# Altium PCB Clocker.PCBDOC (part 2 of 2) (continued)
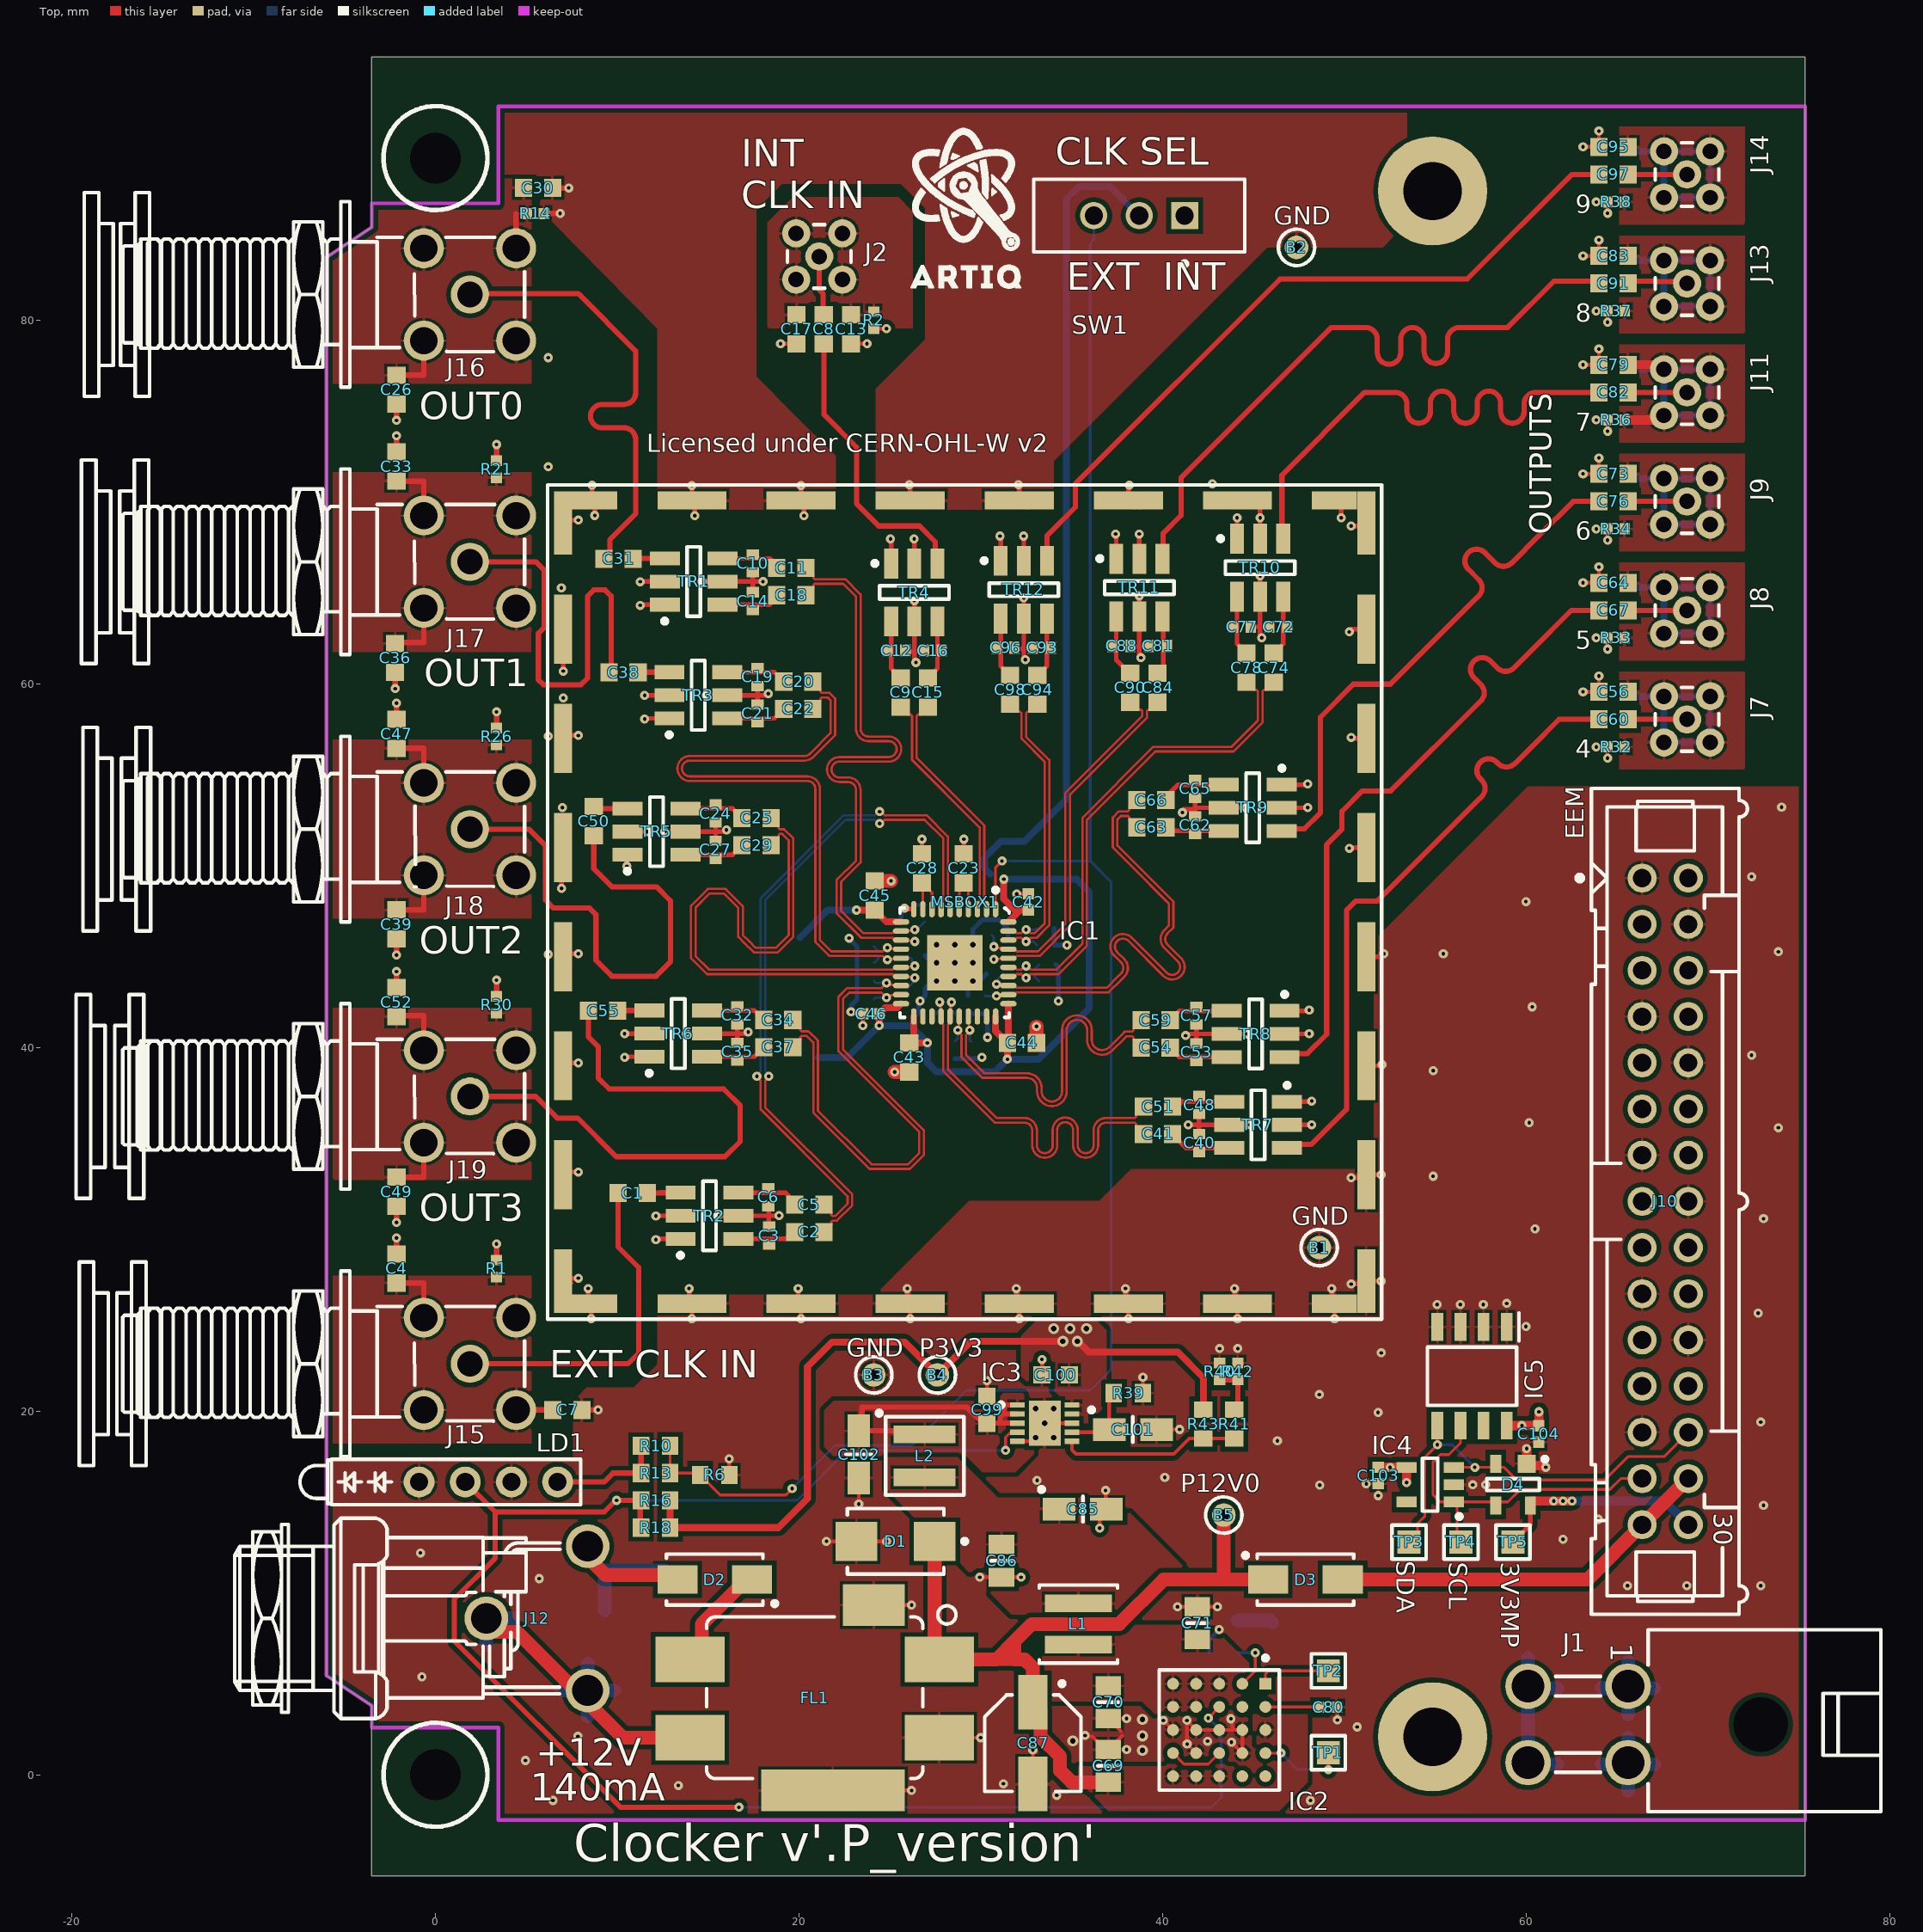
[diagram p0: Top view]
## Nets (pads, with @x,y where several pads share a name; then routed paths per layer and width w, separated by ;. In a path a pad name is that pad's centre, name@x,y a point inside that pad or via, vN(x,y) a via of type N, cw(c..) or ccw(c..) an arc to the next point about the centre after c; other vN are vias at no path point) (continued)
GND4: C56.1 C58.2 J7.2 R32.2 | length 12.1
  Bot w0.381: C58.2@65.592,59.306 J7.2@67.571,59.306 ; J7.2@67.571,59.306 J7.2@67.571,56.766 J7.2@70.111,56.766 J7.2@70.111,59.306 J7.2@67.571,59.306
GND5: C61.1 C64.2 J8.2 R33.2 | length 12.1
  Bot w0.381: C61.1@65.592,65.299 J8.2@67.571,65.299 ; J8.2@67.571,65.299 J8.2@70.111,65.299 J8.2@70.111,62.759 J8.2@67.571,62.759 J8.2@67.571,65.299
GND6: C68.1 C73.2 J9.2 R34.2 | length 12.1
  Bot w0.381: C68.1@65.592,71.292 J9.2@67.571,71.292 ; J9.2@67.571,71.292 J9.2@70.111,71.292 J9.2@70.111,68.752 J9.2@67.571,68.752 J9.2@67.571,71.292
GND7: C75.1 C79.2 J11.2 R36.2 | length 15.2
  Top w0.508: R36.2@65.407,74.5 J11.2@66.932,74.5 ; C79.2@65.592,77.529 J11.2@67.117,77.529
  Bot w0.381: C75.1@65.592,77.285 J11.2@67.571,77.285 ; J11.2@67.571,77.285 J11.2@70.111,77.285 J11.2@70.111,74.745 J11.2@67.571,74.745 J11.2@67.571,77.285
GND8: C83.1 C89.2 J13.2 R37.2 | length 12.1
  Bot w0.381: C89.2@65.592,83.277 J13.2@67.571,83.277 ; J13.2@67.571,83.277 J13.2@70.111,83.277 J13.2@70.111,80.737 J13.2@67.571,80.737 J13.2@67.571,83.277
GND9: C92.1 C95.2 J14.2 R38.2 | length 12.1
  Bot w0.381: C92.1@65.592,89.27 J14.2@67.571,89.27 ; J14.2@67.571,89.27 J14.2@67.571,86.73 J14.2@70.111,86.73 J14.2@70.111,89.27 J14.2@67.571,89.27
GND10: C4.1 C7.1 J15.2 R1.2 | length 5.4
  Top w0.305: C4.1@-2.14,27.038 -0.64,27.038 J15.2@-0.64,25.14 ; J15.2@4.44,20.06 C7.1@6.46,20.06
GND11: C13.1 C17.1 J2.2 R2.2
I2C_SCL: D4.3 IC4.1 IC5.6 J10.27 TP4.1 | length 19.5
  Top w0.152: IC5.6@56.38,19.204 56.38,18.24 55.743,17.604 55.27,17.604 54.872,17.205 54.872,15.391 55.259,15.004 IC4.1@56.009,15.004 IC4.1@56.185,15.004 ; TP4.1@56.409,12.799 56.185,13.022 IC4.1@56.185,15.004 ; D4.3@58.318,14.804 D4.3@58.118,15.004 ; J10.27@66.368,16.29 65.199,16.29 64.601,15.692 59.67,15.692 58.982,15.004 D4.3@58.118,15.004 ; IC4.1@56.185,15.004 D4.3@58.118,15.004
I2C_SDA: D4.2 IC4.3 IC5.5 J10.26 TP3.1 | length 24.3
  Top w0.152: TP3.1@53.549,12.799 54.016,13.265 54.016,13.822 54.422,14.227 54.422,17.467 v1(55.11,18.155) IC5.5@55.11,19.204 ; IC4.3@55.841,16.904 IC4.3@56.009,16.904 v1(57.163,16.904) D4.2@58.318,16.904 ; D4.2@58.318,17.104 D4.2@58.318,16.904 ; J10.26@68.908,18.83 67.576,17.498 65.597,17.498 64.315,16.215 59.46,16.215 58.771,16.904 D4.2@58.318,16.904
  Bot w0.152: v1(55.11,18.155) 55.913,18.155 v1(57.163,16.904)
IN_CLK0_N: C9.2 IC1.3 | length 13
  Top w0.125: C9.2@25.59,58.713 26.002,58.301 26.14,58.301 26.214,58.227 26.214,55.809 29.934,52.089 29.934,48.059 29.81,47.935 IC1.3@29.81,47.598
IN_CLK0_P: C15.2 IC1.2 | length 13
  Top w0.125: C15.2@27.09,58.713 26.678,58.301 26.54,58.301 26.466,58.227 26.466,55.914 30.186,52.194 30.186,48.059 30.31,47.935 IC1.2@30.31,47.598
IN_CLK1_N: C2.2 IC1.7 | length 37.3
  Top w0.125: v1(18.335,38.413) 18.335,38.352 18.135,38.152 18.135,36.701 22.919,31.917 22.919,31.302 22.088,30.472 21.846,30.472 21.772,30.398 21.772,30.26 C2.2@21.36,29.848 ; v1(24.435,52.314) 24.495,52.314 24.695,52.514 26.909,52.514 27.934,51.489 27.934,48.059 27.81,47.935 IC1.7@27.81,47.598
  Bot w0.125: v1(18.335,38.413) 18.335,38.473 18.135,38.673 18.135,48.088 22.561,52.514 24.174,52.514 24.374,52.314 v1(24.435,52.314)
IN_CLK1_P: C5.2 IC1.6 | length 37.7
  Top w0.125: v1(17.682,38.413) 17.682,38.352 17.882,38.152 17.882,36.597 22.666,31.813 22.666,31.407 21.983,30.724 21.846,30.724 21.772,30.797 21.772,30.935 C5.2@21.36,31.348 ; v1(24.435,52.966) 24.495,52.966 24.695,52.766 27.014,52.766 28.186,51.594 28.186,48.059 28.31,47.935 IC1.6@28.31,47.703
  Bot w0.125: v1(17.682,38.413) 17.682,38.473 17.882,38.673 17.882,48.192 22.456,52.766 24.174,52.766 24.374,52.966 v1(24.435,52.966)
INPUT_GND: FL1.3 J1.1 J1.2 J12.2 J12.3 | length 33.8
  Top w0.762: J12.2@2.891,7.847 4.499,7.847 10.308,2.038 FL1.3@14.01,2.038
  Bot w0.762: 2.796,7.156 J12.2@2.796,8.604 ; J12.2@2.8,8.6 4.248,8.6 ; 6.92,4.647 J12.3@8.369,4.647 ; 8.369,3.191 J12.3@8.369,4.639 ; J12.3@8.373,4.635 9.821,4.635 ; J12.3@8.377,4.647 8.377,6.096 ; 64.145,0.579 J1.2@65.594,0.579 ; 64.145,4.771 J1.1@65.594,4.771 ; 65.594,-0.877 J1.2@65.594,0.571 ; 65.594,3.314 J1.1@65.594,4.763 ; J1.2@65.598,0.567 67.046,0.567 ; J1.1@65.598,4.759 67.046,4.759 ; J1.2@65.602,0.579 65.602,2.028 ; J1.1@65.602,4.771 65.602,6.22
NetC1_1: C1.1 J15.1 | length 18.8
  Top w0.288: J15.1@1.9,22.6 10.591,22.6 11.18,23.189 11.18,27.892 10.045,29.027 C1.1@10.045,31.988
NetC1_2: C1.2 TR2.3 | length 3
  Top w0.288: C1.2@11.645,31.988 13.465,31.988 TR2.3@13.485,32.008 12.345,32.008
NetC2_1: C2.1 C3.2 TR2.6 | length 3.3
  Top w0.254: TR2.6@16.665,29.468 19.255,29.468 C2.1@19.775,29.988
NetC5_1: C5.1 C6.1 TR2.4 | length 3.3
  Top w0.254: TR2.4@16.665,32.008 19.255,32.008 C5.1@19.775,31.488
NetC8_1: C8.1 J2.1 | length 3.3
  Top w0.288: J2.1@21.11,83.488 21.11,81.653 21.326,81.438 21.326,80.323 C8.1@21.36,80.288
NetC8_2: C8.2 TR4.3 | length 16.4
  Top w0.288: C8.2@21.36,78.688 21.36,74.807 23.16,73.007 23.16,69.888 24.378,68.67 26.623,68.67 27.491,67.802 27.491,66.722 TR4.3@27.61,66.603 TR4.3@27.61,67.013
NetC9_1: C9.1 C12.2 TR4.6 | length 3.3
  Top w0.254: TR4.6@25.07,63.423 25.07,60.833 C9.1@25.59,60.313
NetC10_1: C10.1 C11.1 TR1.4 | length 3.3
  Top w0.254: TR1.4@15.8,66.883 18.39,66.883 C11.1@18.91,66.363
NetC14_2: C14.2 C18.1 TR1.6 | length 3.3
  Top w0.254: TR1.6@15.8,64.343 18.39,64.343 C18.1@18.91,64.863
NetC15_1: C15.1 C16.1 TR4.4 | length 3.3
  Top w0.254: C15.1@27.09,60.313 27.61,60.833 TR4.4@27.61,63.423
NetC19_1: C19.1 C20.1 TR3.4 | length 3.3
  Top w0.254: TR3.4@16.05,60.633 18.64,60.633 C20.1@19.16,60.113
NetC21_2: C21.2 C22.1 TR3.6 | length 3.3
  Top w0.254: TR3.6@16.05,58.093 18.64,58.093 C22.1@19.16,58.613
NetC23_2: C23.2 IC1.4 IC1.5 | length 3.1
  Top w0.152: IC1.5@28.81,47.598 28.81,48.798 C23.2@29.06,49.048 29.31,48.798 IC1.4@29.31,47.598
NetC24_1: C24.1 C25.1 TR5.4 | length 3.3
  Top w0.254: TR5.4@13.75,53.133 16.34,53.133 C25.1@16.86,52.613
NetC27_2: C27.2 C29.1 TR5.6 | length 3.3
  Top w0.254: TR5.6@13.75,50.593 16.34,50.593 C29.1@16.86,51.113
NetC28_2: C28.2 IC1.8 IC1.9 | length 3.1
  Top w0.152: C28.2@26.76,49.048 C28.2@26.81,48.998 ; IC1.9@26.81,47.598 C28.2@26.81,48.998 ; IC1.8@27.31,47.598 27.31,48.498 C28.2@26.81,48.998
NetC31_1: C31.1 J16.1 | length 26.4
  Top w0.288: J16.1@1.9,81.451 7.852,81.451 11.01,78.294 11.01,77.43 11.01,75.998 cw(c10.366,75.998) 10.366,75.354 9.175,75.354 ccw(c9.175,74.71) 8.531,74.71 ccw(c9.175,74.71) 9.175,74.066 10.366,74.066 cw(c10.366,73.422) 11.01,73.422 11.01,72.544 11.01,69.338 9.606,67.934 9.606,67.194 C31.1@9.275,66.863
NetC32_1: C32.1 C34.1 TR6.4 | length 3.3
  Top w0.254: TR6.4@14.945,42.028 17.535,42.028 C34.1@18.055,41.508
NetC35_2: C35.2 C37.1 TR6.6 | length 3.3
  Top w0.254: TR6.6@14.945,39.488 17.535,39.488 C37.1@18.055,40.008
NetC38_1: C38.1 J17.1 | length 23.6
  Top w0.288: J17.1@1.9,66.7 5.523,66.7 5.985,66.238 5.985,63.094 5.66,62.769 5.66,60.212 5.935,59.938 8.01,59.938 8.36,60.288 8.36,64.802 8.708,65.15 9.328,65.15 9.66,64.819 C38.1@9.66,60.664
NetC40_1: C40.1 C41.1 TR7.4 | length 3.3
  Top w0.254: C41.1@40.545,34.988 40.759,34.988 41.279,34.468 TR7.4@43.655,34.468
NetC48_2: C48.2 C51.1 TR7.6 | length 3.3
  Top w0.254: C51.1@40.545,36.488 41.065,37.008 TR7.6@43.655,37.008
NetC50_1: C50.1 J18.1 | length 28
  Top w0.288: J18.1@1.9,52 5.148,52 6.06,51.088 6.06,48.097 6.496,47.661 8.473,47.661 8.829,47.305 8.829,44.791 9.704,43.915 12.139,43.915 12.925,44.701 12.925,48.066 12.158,48.832 9.707,48.832 8.71,49.829 C50.1@8.71,51.638
NetC53_1: C53.1 C54.1 TR8.4 | length 3.3
  Top w0.254: C54.1@40.41,39.988 40.93,39.468 TR8.4@43.52,39.468
NetC55_1: C55.1 J19.1 | length 30.9
  Top w0.288: J19.1@1.9,37.3 5.516,37.3 6.701,36.114 7.823,36.114 9.949,33.988 15.923,33.988 16.762,34.828 16.762,36.806 15.856,37.712 9.557,37.712 8.952,38.316 8.952,40.037 8.42,40.57 C55.1@8.42,42.008
NetC57_2: C57.2 C59.1 TR8.6 | length 3.3
  Top w0.254: C59.1@40.41,41.488 40.93,42.008 TR8.6@43.52,42.008
NetC60_1: C60.1 J7.1 | length 3.3
  Top w0.288: C60.1@65.592,58.036 68.842,58.036 J7.1@68.841,58.036
NetC62_1: C62.1 C63.1 TR9.4 | length 3.6
  Top w0.254: C63.1@40.326,52.424 40.326,51.904 TR9.4@43.436,51.904
NetC65_2: C65.2 C66.1 TR9.6 | length 3.3
  Top w0.254: C66.1@40.326,53.924 40.846,54.444 TR9.6@43.436,54.444
NetC67_1: C67.1 J8.1 | length 3.3
  Top w0.288: C67.1@65.592,64.029 J8.1@68.842,64.029
NetC70_2: C70.2 C71.2 IC2.C1 IC2.D1 IC2.D2 IC2.E1 IC2.E2 L1.2
NetC72_1: C72.1 C74.1 TR10.4 | length 3.3
  Top w0.254: C74.1@46.11,61.673 46.63,62.193 TR10.4@46.63,64.783
NetC76_1: C76.1 J9.1 | length 3.3
  Top w0.288: C76.1@65.592,70.022 J9.1@68.842,70.022
NetC77_2: C77.2 C78.1 TR10.6 | length 3.3
  Top w0.254: TR10.6@44.09,64.783 44.09,62.193 C78.1@44.61,61.673
NetC80_2: C80.2 IC2.A2 | length 3
  Top w0.152: IC2.A2@45.65,3.733 48.64,3.733 C80.2@48.66,3.713
NetC81_1: C81.1 C84.1 TR11.4 | length 3.3
  Top w0.254: C84.1@39.715,60.578 40.025,60.888 40.025,63.648 TR11.4@39.985,63.688
NetC82_1: C82.1 J11.1 | length 3.3
  Top w0.288: C82.1@65.592,76.015 J11.1@68.842,76.015
NetC88_2: C88.2 C90.1 TR11.6 | length 3.3
  Top w0.254: TR11.6@37.445,63.688 37.445,61.302 37.965,60.782 C90.1@37.965,60.578
NetC91_1: C91.1 J13.1 | length 3.4
  Top w0.288: C91.1@65.592,82.007 65.716,82.131 67.058,82.131 67.085,82.104 68.744,82.104 J13.1@68.841,82.007
NetC93_1: C93.1 C94.1 TR12.4 | length 3.3
  Top w0.254: C94.1@33.11,60.463 33.63,60.983 TR12.4@33.63,63.573
NetC96_2: C96.2 C98.1 TR12.6 | length 3.3
  Top w0.254: TR12.6@31.09,63.573 31.09,60.983 C98.1@31.61,60.463
NetC97_1: C97.1 J14.1 | length 3.3
  Top w0.288: C97.1@65.592,88 J14.1@68.842,88
NetC99_1: C99.1 C102.1 IC3.1 IC3.2 IC3.3 L2.2 | length 16.5
  Top w0.288: L2.2@26.91,18.723 26.72,18.913 C102.1@23.285,18.913 23.463,19.091 23.463,20.213 29.235,20.213 30.11,19.338 31.06,19.338 ; IC3.3@32.01,19.338 31.06,19.338 ; IC3.2@32.01,19.838 31.238,19.838 ; IC3.1@32.01,20.338 31.417,20.338 31.238,20.159 31.238,19.838 ; 31.06,19.338 31.06,19.659 31.238,19.838
NetC101_1: C101.1 IC3.7 R39.1 | length 4.2
  Top w0.203: IC3.7@35.01,18.838 36.91,18.838 C101.1@37.06,18.988 37.06,20.738 R39.1@37.31,20.988
NetD2_1: D2.1 FL1.1 | length 6
  Top w0.762: FL1.1@14.01,6.338 14.657,6.985 14.657,8.285 16.691,10.319 16.691,10.344 17.085,10.738 D2.1@17.41,10.738
NetD2_2: D2.2 J1.3 J1.4 J12.1 | length 21.7
  Top w0.762: J12.1@8.599,11.737 9.349,10.988 13.06,10.988 D2.2@13.31,10.738
  Bot w0.762: 9.31,9.039 9.31,11.238 12.61,11.238 ; 44.11,8.488 45.935,8.488 46.035,8.388 ; 60.098,6.441 J1.3@60.098,4.767 ; 61.694,0.567 60.098,0.567 J1.3@60.098,4.767 ; 61.732,4.767 J1.3@60.098,4.767
NetD3_2: D3.2 J10.28 J10.29 | length 21.3
  Top w0.762: D3.2@49.902,10.738 63.357,10.738 J10.29@66.368,13.75 J10.28@68.908,16.29
NetIC1_1: IC1.1 R6.1 R10.2 R13.2 SW1.3 | length 100.8
  Top w0.152: R10.2@12.91,18.088 R13.2@12.91,16.588 14.46,16.588 R6.1@14.56,16.488 15.66,15.388 19.271,15.388 v1(19.621,15.738) ; IC1.1@30.81,47.598 30.807,47.601 30.807,49.895 v1(31.16,50.248)
  Bot w0.152: v1(19.621,15.738) 22,18.117 26.196,18.117 29.217,21.138 36.01,21.138 37.16,22.288 37.16,49.098 36.01,50.248 ; v1(31.16,50.248) 36.01,50.248 ; SW1.3@36.21,85.738 SW1.3@36.21,85.727 ; SW1.3@36.22,85.738 SW1.3@36.21,85.727 ; 36.01,50.248 36.01,84.213 36.21,84.413 SW1.3@36.21,85.727
NetIC2_A1: IC2.A1 TP2.1 | length 4.1
  Top w0.152: IC2.A1@45.65,5.003 45.65,5.557 45.806,5.713 TP2.1@49.11,5.713
NetIC2_A4: IC2.A4 TP1.1 | length 4.8
  Top w0.152: IC2.A4@45.65,1.193 v1(46.505,1.193) ; TP1.1@49.09,1.193 TP1.1@49.11,1.213 v1(49.11,0.288)
  Bot w0.152: v1(46.505,1.193) 47.41,0.288 v1(49.11,0.288)
NetIC2_B1: IC2.B1 R35.1 | length 2.9
  Top w0.152: IC2.B1@44.38,5.003 45.09,5.713 v1(45.09,6.71)
  Bot w0.152: R35.1@44.16,6.738 44.188,6.71 v1(45.09,6.71)
NetIC2_C4: IC2.C4 IC2.E4 | length 3.1
  Top w0.152: IC2.E4@40.57,1.193 41.175,0.588 42.505,0.588 43.07,1.153 43.07,1.193 IC2.C4@43.11,1.193
NetIC3_6: IC3.6 R41.2 R43.2 | length 9.8
  Top w0.2: IC3.6@35.01,18.338 35.01,17.863 35.235,17.638 40.61,17.638 41.46,18.488 R43.2@42.235,18.488 R41.2@43.935,18.488
NetLD1_4: LD1.4 R10.1 R13.1 | length 6.3
  Top w0.288: LD1.4@6.8,16.1 9.278,16.1 9.766,16.588 R13.1@11.31,16.588 ; R13.1@11.31,16.538 R13.1@11.31,16.588 ; R10.1@11.31,18.088 R13.1@11.31,16.588
NetR40_2: R40.2 R41.1 R42.2 | length 2.7
  Top w0.288: R40.2@43.129,21.706 R42.2@44.129,21.706 44.129,20.282 R41.1@43.935,20.088
P3V3: B4.1 C42.2 C43.2 C44.2 C45.2 C46.2 C100.2 IC1.11 IC1.20 IC1.21 IC1.30 IC1.31 IC1.40 IC3.9 IC3.10 R16.2 R18.2 R43.1 SW1.2 | length 137
  Top w0.381: R16.2@12.91,15.088 R18.2@12.91,13.588 18.86,13.588 20.46,15.188 20.46,22.438 21.81,23.788 25.81,23.788 B4.1@27.61,21.988 29.46,23.838 v2(34.51,23.838) ; v1(23.16,47.548) C45.2@24.16,47.548 24.81,46.898 IC1.11@25.61,46.898 ; v1(24.41,41.198) C46.2@24.41,41.848 24.732,42.17 25.382,42.17 IC1.20@25.61,42.398 ; IC1.21@26.31,41.698 26.31,40.498 C43.2@26.06,40.248 v1(27.06,40.248) ; IC1.30@30.81,41.698 30.81,40.901 31.46,40.251 C44.2@31.46,40.248 ; v1(31.26,49.248) 31.26,48.16 31.882,47.538 32.15,47.538 ; v1(31.46,39.348) C44.2@31.46,40.248 ; IC1.31@31.51,42.398 31.51,40.298 C44.2@31.46,40.248 ; IC1.40@31.51,46.898 32.15,47.538 ; C42.2@32.61,47.538 32.15,47.538 ; v2(35.31,23.838) 35.342,23.838 35.942,23.238 40.835,23.238 42.235,21.838 R43.1@42.235,20.088
  Bot w0.381: 20.055,46.043 21.56,47.548 v1(23.16,47.548) ; 21.06,39.448 22.66,39.448 v1(24.41,41.198) 26.11,41.198 v1(27.06,40.248) 27.06,39.148 27.56,38.648 30.76,38.648 v1(31.46,39.348) 33.16,39.348 35.96,42.148 35.96,48.548 35.26,49.248 v1(31.26,49.248) ; 30.51,49.538 30.212,49.835 30.212,50.441 31.11,51.338 32.41,51.338 34.71,53.638 34.71,86.632 35.415,87.338 37.11,87.338 SW1.2@38.71,85.738
  other v2: 34.01,24.538 34.91,24.538 35.81,24.538
P3V3_MP: C103.2 C104.2 D4.4 IC4.4 IC5.8 J10.30 TP5.1 | length 17.8
  Top w0.254: TP5.1@59.269,12.799 60.218,13.748 D4.4@60.218,14.804
  Top w0.508: C103.2@51.854,16.904 v1(52.507,16.904) IC4.4@53.409,16.904 v1(53.409,16.066) ; IC5.8@58.92,19.204 v1(59.758,19.204) C104.2@60.678,19.204 ; D4.4@60.218,14.804 60.218,15.004 60.264,15.05 60.464,15.05 60.472,15.058 v1(61.508,15.058) v1(62.014,15.058) v1(62.52,15.058) ; C104.2@60.691,19.191 v1(60.691,19.959)
  Bot w0.508: v1(61.508,15.058) v1(62.014,15.058) v1(62.52,15.058) 67.6,15.058 J10.30@68.908,13.75
P3V6: C85.1 C86.2 L1.1 L2.1
P12V0: B5.1 C69.2 C87.1 D1.1 D3.1 FL1.2 IC2.A3 IC2.C5 IC2.D5 IC2.E5 | length 42.4
  Top w0.762: D1.1@27.46,12.838 27.46,6.589 FL1.2@27.71,6.338 30.86,6.338 30.885,6.363 ; C69.2@37.01,-0.412 34.992,-0.412 34.357,0.224 34.357,1.01 33.279,2.088 33.279,3.569 C87.1@32.86,3.988 32.86,5.888 32.41,6.338 31.86,6.338 31.835,6.363 ; B5.1@43.36,14.281 43.36,10.738 ; D3.1@45.802,10.738 43.36,10.738 ; 30.885,6.363 31.835,6.363 ; 30.885,6.363 31.835,7.313 ; 31.835,6.363 31.835,7.313 ; 31.835,7.313 32.81,8.288 37.603,8.288 40.053,10.738 43.36,10.738
PGOOD: IC2.C2 IC3.4 LD1.2 R16.1 R18.1 | length 95.9
  Top w0.152: v1(31.36,17.838) 31.36,18.564 31.633,18.838 IC3.4@32.01,18.838 ; v1(42.51,3.113) 42.51,3.123 43.11,3.723 IC2.C2@43.11,3.733
  Top w0.288: LD1.2@1.64,16.1 3.289,14.451 ; R18.1@11.31,13.588 11.265,13.633 11.265,15.043 R16.1@11.31,15.088 v1(9.96,15.088) 9.915,15.088 9.278,14.451 3.289,14.451 ; v1(16.691,-1.785) 10.179,-1.785 1.039,7.355 1.039,9.667 3.289,11.917 3.289,14.451
  Bot w0.152: v1(9.96,15.088) 19.887,15.088 22.636,17.838 v1(31.36,17.838) ; v1(16.691,-1.785) 42.685,-1.785 43.221,-1.248 43.221,2.401 v1(42.51,3.113)
pads on no net: IC1.22 IC1.23 IC1.28 IC1.29 IC2.A5 IC2.B2 IC2.B5 IC4.5 IC5.7 J1.5 J10.2 J10.3 J10.5 J10.6 J10.8 J10.9 J10.11 J10.12 J10.14 J10.15 J10.17 J10.18 J10.20 J10.21 J10.23 J10.24 SW1.1

## Polygon pours and split planes (outlines as drawn)
GND on Top "Top-No Net" (solid, remove dead copper, pour order 47): -3.5,2.591 -3.5,3.8 -6,5.45 -6,17.474 7.585,17.474 7.585,20.56 8.313,21.288 10.916,21.288 12.21,22.582 12.21,26.403 24.21,26.403 29.359,31.553 36.499,31.553 38.26,33.313 51.61,33.313 51.61,45.872 60.079,54.341 75.336,54.341 75.336,-5.55 3.456,-5.55 3.456,2.591
P3V6 on Top "Top-No Net" (solid, pour order 2): 40.385,8.813 41.16,9.588 41.16,11.438 37.36,15.238 30.934,15.238 28.71,17.463 24.81,17.463 24.81,15.688 31.684,8.813
GND on Top "Top-No Net" (solid, remove dead copper, pour order 46): -2.84,94.563 -2.79,94.613 53.433,94.613 53.433,85.312 52.11,83.988 46.36,83.988 45.765,83.988 34.01,72.234 34.01,69.573 24.21,69.573 24.21,76.212 26.935,78.936 26.935,86.138 25.585,87.488 22.91,87.488 19.06,87.488 18.335,86.763 17.635,86.063 17.635,83.663 17.635,76.888 19.635,74.888 22.01,72.512 22.01,69.573 12.21,69.573 12.21,79.508 5.745,86.077 5.745,87.896 -2.488,87.896
GND4 on Top "Top-No Net" (solid, pour order 18): 65.117,60.66 65.117,55.282 72.03,55.282 72.03,60.66
GND5 on Top "Top-No Net" (solid, pour order 59): 65.117,66.652 65.117,61.275 72.03,61.274 72.03,66.652
GND6 on Top "Top-No Net" (solid, pour order 60): 65.117,72.645 65.117,67.267 72.03,67.267 72.03,72.645
GND7 on Top "Top-No Net" (solid, pour order 61): 65.115,78.638 65.115,73.26 72.028,73.26 72.028,78.638
GND8 on Top "Top-No Net" (solid, pour order 62): 65.117,84.631 65.117,79.253 72.03,79.253 72.03,84.631
GND9 on Top "Top-No Net" (solid, pour order 63): 65.117,90.624 65.117,85.246 72.03,85.246 72.03,90.624
P12V0 on Top "Top-No Net" (solid, remove dead copper, pour order 8): 35.36,0.588 44.96,0.588 44.96,3.338 47.985,3.338 47.985,-0.412 46.41,-1.987 37.01,-1.987 35.36,-0.337
NetC70_2 on Top "Top-No Net" (solid, remove dead copper, pour order 6): 33.36,4.038 38.86,4.038 39.36,3.538 39.76,3.138 41.16,3.138 44.56,3.138 44.96,3.538 44.96,5.938 42.66,8.238 36.36,8.238 33.36,8.238
GND0 on Top "Top-No Net" (solid, remove dead copper, pour order 10): 5.285,76.487 -6,76.487 -6,83.504 -3.5,85.1 -3.5,86.411 3.456,86.411 3.456,87.759 5.285,87.759
GND3 on Top "Top-No Net" (solid, pour order 16): -6,42.161 5.285,42.161 5.285,32.71 -2.44,32.71 -2.64,32.71 -6,32.71
GND10 on Top "Top-No Net" (solid, remove dead copper, pour order 32): 5.285,27.448 5.285,18.233 -6,18.233 -6,27.448
GND on Top "Top-No Net" (solid, remove dead copper, pour order 0): 33.502,3.738 38.785,3.738 39.385,3.138 39.534,2.988 41.335,2.988 44.434,2.988 44.685,2.738 44.894,2.529 44.894,1.218 44.894,1.053 44.561,0.721 42.879,0.721 33.502,0.721
GND1 on Top "Top-No Net" (solid, pour order 12): -6,71.613 5.285,71.613 5.285,61.738 -6,61.738
GND2 on Top "Top-No Net" (solid, pour order 14): -6,56.913 5.285,56.913 5.285,47.087 -6,47.087
NetC99_1 on Top "NETC99_1_L01_P004" (solid, remove dead copper, pour order 4): 29.185,17.538 30.085,16.638 31.91,16.638 32.91,17.638 32.91,20.438 32.36,20.988 31.235,20.988 30.81,20.563 21.91,20.563 21.385,20.038 21.385,18.038 21.885,17.538
GND11 on Top "Top-No Net" (solid, pour order 36): 18.36,79.548 26.26,79.548 26.26,85.948 25.96,86.248 25.46,86.748 20.56,86.748 19.66,86.748 18.26,85.348 18.26,79.648
P3V3 on Top "Top-No Net" (solid, remove dead copper, pour order 44): 34.31,19.338 35.91,19.338 36.21,19.638 36.91,20.338 36.91,21.638 36.91,24.438 36.51,24.838 36.41,24.938 34.21,24.938 33.01,24.938 32.41,24.338 32.21,24.138 32.21,22.838 32.21,21.938 32.81,21.338 32.909,21.238 33.91,21.238 34.31,20.838 34.31,19.338
GND on Bot "BOT_GND" (solid, remove dead copper, pour order 51): -3.5,86.411 3.456,86.411 3.456,94.45 75.336,94.45 75.336,-5.55 3.456,-5.55 3.456,2.591 -3.5,2.591 -3.5,3.8 -6,5.45 -6,83.45 -3.5,85.1
P3V3_MP on Bot "P3V3_MP" (solid, pour order 50): 63.856,15.435 63.856,14.655 53.296,14.655 51.407,16.544 51.407,18.481 53.558,20.632 60.968,20.632 62.394,19.206 62.394,16.896
INPUT_GND on Bot "INPUT_GND" (solid, pour order 48): 57.035,7.532 59.639,4.928 59.639,1.688 61.382,-0.055 62.169,-0.055 63.348,1.124 63.348,8.72 75.336,8.72 75.336,-2.489 44.826,-2.489 43.753,-1.416 43.753,3.089 38.012,3.089 37.662,2.738 4.86,2.738 1.36,6.238 1.36,9.988 6.36,9.988 10.043,6.305 45.072,6.241 46.363,7.532
NetD2_2 on Bot "INPUT_VCC" (solid, pour order 42): 59.639,1.102 60.571,0.17 62.394,0.17 63.348,1.124 63.348,10.218 60.255,13.311 8.182,13.311 6.86,11.988 6.86,9.738 10.11,6.488 41.96,6.488 43.06,7.588 56.979,7.588 59.639,4.928
P3V3 on Bot "P3V3" (solid, remove dead copper, pour order 24): 24.16,48.348 24.16,46.748 23.96,46.548 23.86,46.448 22.76,46.448 22.56,46.448 22.16,46.048 22.048,45.936 22.048,45.301 22.048,42.261 22.56,41.748 22.66,41.648 25.06,41.648 27.334,41.648 27.908,41.074 27.76,40.927 27.76,40.048 27.76,39.278 28.1,38.938 29.92,38.938 30.15,38.938 31.06,39.848 31.76,40.548 32.66,40.548 33.56,40.548 34.76,41.748 35.06,42.048 35.06,43.548 35.06,47.498 34.61,47.948 34.57,47.988 32.885,47.988 30.47,47.988 30.16,48.298 30.16,49.348 30.16,49.548 30.46,49.848 30.56,49.948 31.36,49.948 36.06,49.948 36.86,49.148 36.96,49.048 36.96,47.948 36.96,40.248 36.16,39.448 36.16,23.167 33.46,23.167 33.46,36.748 27.76,36.748 20.86,36.748 19.76,37.848 18.86,38.748 18.86,46.148 18.86,47.448 19.66,48.248 20.56,49.148 22.06,49.148 23.36,49.148
GND on L3 "Top-No Net" (solid, remove dead copper, pour order 40): 3.456,86.411 3.456,94.45 60.76,94.413 60.835,94.488 60.76,94.413 60.76,-5.487 3.456,-5.551 3.456,2.591 -3.5,2.591 -3.5,3.8 -6,5.45 -6,83.45 -3.5,85.1 -3.5,86.411
GND on MP(G) (split plane): 74.826,-5.04 -2.99,-5.04 -2.99,3.8 -2.99,3.801 -2.99,3.803 -2.995,3.851 -2.999,3.9 -3,3.901 -3,3.902 -3.014,3.949 -3.028,3.995 -3.029,3.997 -3.03,3.998 -3.053,4.041 -3.076,4.084 -3.076,4.085 -3.077,4.086 -3.108,4.123 -3.139,4.161 -3.14,4.162 -3.141,4.163 -3.179,4.193 -3.216,4.224 -3.218,4.225 -3.219,4.226 -5.49,5.725 -5.49,83.175 -3.219,84.674 -3.218,84.675 -3.216,84.676 -3.179,84.707 -3.141,84.737 -3.14,84.738 -3.139,84.739 -3.108,84.777 -3.077,84.814 -3.076,84.815 -3.076,84.816 -3.053,84.859 -3.03,84.902 -3.029,84.903 -3.028,84.905 -3.014,84.951 -3,84.998 -3,84.999 -2.999,85 -2.995,85.049 -2.99,85.097 -2.99,85.099 -2.99,85.1 -2.99,93.94 74.826,93.94

## Keep-outs
KeepOutLayer:
  lines w0.203: -6,5.45 -6,83.45 -3.5,85.1 -3.5,86.411 3.456,86.411 3.456,91.738 75.336,91.738 75.336,-2.489 3.456,-2.489 3.456,2.591 -3.5,2.591 -3.5,3.8 -6,5.45

## Silkscreen, mask and mechanical layers (free items; w line width, h text height)
TopOverlay:
  drawing of 1239 lines, arcs and shapes, not listed
  text "CLK SEL" at 34.11,88.538 h1.52
  text "INT" at 16.81,88.438 h1.52
  text "CLK IN" at 16.81,86.138 h1.52
  text "9" at 62.696,85.889 h1
  text "GND" at 46.11,85.238 h1
  text "EXT" at 34.71,81.638 h1.52
  text "INT" at 40.01,81.638 h1.52
  text "8" at 62.696,79.896 h1
  text "OUT0" at -0.893,74.542 h1.52
  text "7" at 62.696,73.904 h1
  text "Licensed under CERN-OHL-W v2" at 11.61,72.738 h1
  text "OUTPUTS" at 61.38,68.188 h1.2 r90
  text "6" at 62.696,67.911 h1
  text "5" at 62.696,61.918 h1
  text "OUT1" at -0.639,59.842 h1.52
  text "4" at 62.696,55.925 h1
  text "EEM" at 63.148,51.438 h1 r90
  text "OUT2" at -0.893,45.142 h1.52
  text "OUT3" at -0.893,30.442 h1.52
  text "GND" at 47.11,30.238 h1
  text "GND" at 22.61,22.988 h1
  text "P3V3" at 26.61,22.988 h1
  text "EXT CLK IN" at 6.275,21.838 h1.52
  text "P12V0" at 40.978,15.542 h1
  text "SDA" at 52.859,11.767 h1 r270
  text "SCL" at 55.743,11.696 h1 r270
  text "3V3MP" at 58.603,11.696 h1 r270
  text "+12V" at 5.51,0.488 h1.52
  text "140mA" at 5.21,-1.412 h1.52
  text "Clocker v'.P_version'" at 7.606,-4.766 h2.03
BottomOverlay:
  text "Licensed under CERN-OHL-W v2" at 32.11,29.238 h1
  text "Clocker v'.P_version'" at 50.86,-4.512 h2.03
Mechanical1:
  the board outline again, w0.1
DrillDrawing:
  drawing of 295 lines, arcs and shapes, not listed
  text "Layer" at 67.885,63.563 h1.52
  text "Name" at 78.297,63.563 h1.52
  text "Material" at 100.389,63.563 h1.52
  text "Thickness" at 122.227,63.563 h1.52
  text "Constant" at 138.732,63.563 h1.52
  text "Board Layer Stack" at 153.207,63.563 h1.52
  text "TopOverlay" at 78.297,60.515 h1.52
  text "TopSolder" at 78.297,57.467 h1.52
  text "Solder Resist" at 100.389,57.467 h1.52
  text "0,010mm" at 122.227,57.467 h1.52
  text "3.5" at 138.732,57.467 h1.52
  text "1" at 67.885,54.419 h1.52
  text "Top" at 78.297,54.419 h1.52
  text "0,056mm" at 122.227,54.419 h1.52
  text "Dielectric1" at 78.297,51.371 h1.52
  text "FR-4" at 100.389,51.371 h1.52
  text "0,180mm" at 122.227,51.371 h1.52
  text "4.5" at 138.732,51.371 h1.52
  text "2" at 67.885,48.323 h1.52
  text "MP(G)" at 78.297,48.323 h1.52
  text "0,036mm" at 122.227,48.323 h1.52
  text "Dielectric 3" at 78.297,45.275 h1.52
  text "1,080mm" at 122.227,45.275 h1.52
  text "4.5" at 138.732,45.275 h1.52
  text "3" at 67.885,42.227 h1.52
  text "L3" at 78.297,42.227 h1.52
  text "0,036mm" at 122.227,42.227 h1.52
  text "Dielectric 4" at 78.297,39.179 h1.52
  text "0,180mm" at 122.227,39.179 h1.52
  text "4.5" at 138.732,39.179 h1.52
  text "4" at 67.885,36.131 h1.52
  text "Bot" at 78.297,36.131 h1.52
  text "0,056mm" at 122.227,36.131 h1.52
  text "BottomSolder" at 78.297,33.083 h1.52
  text "Solder Resist" at 100.389,33.083 h1.52
  text "0,010mm" at 122.227,33.083 h1.52
  text "3.5" at 138.732,33.083 h1.52
  text "BottomOverlay" at 78.297,30.035 h1.52

## Text inside footprints (layer, text, board x,y; h text height)
IC2: Mechanical14 "A" at 45.45,6.263 h0.4 r270; Mechanical14 "B" at 44.18,6.263 h0.4 r270; Mechanical14 "C" at 42.91,6.263 h0.4 r270; Mechanical14 "D" at 41.64,6.263 h0.4 r270; Mechanical14 "E" at 40.37,6.263 h0.4 r270; Mechanical14 "5" at 46.61,0.063 h0.4 r270; Mechanical14 "4" at 46.61,1.343 h0.4 r270; Mechanical14 "3" at 46.61,2.603 h0.4 r270; Mechanical14 "2" at 46.61,3.863 h0.4 r270; Mechanical14 "1" at 46.61,5.063 h0.4 r270
J1: TopOverlay "1" at 64.648,7.244 h1.2 r270; Mechanical14 "1" at 64.648,7.244 h1.2 r270
J10: TopOverlay "30" at 70.305,14.385 h1.02 r270; Mechanical14 "30" at 70.305,14.385 h1.02 r270
J12: Mechanical8 "2.5mm" at -7.2,11.9 h1 r270; Mechanical8 "SLEEVE SHUNT" at 1.775,4.375 h0.5; Mechanical8 "CENTER PIN" at 2.875,12.3 h0.5